# Altium PCB FMs.PcbDoc (continued)
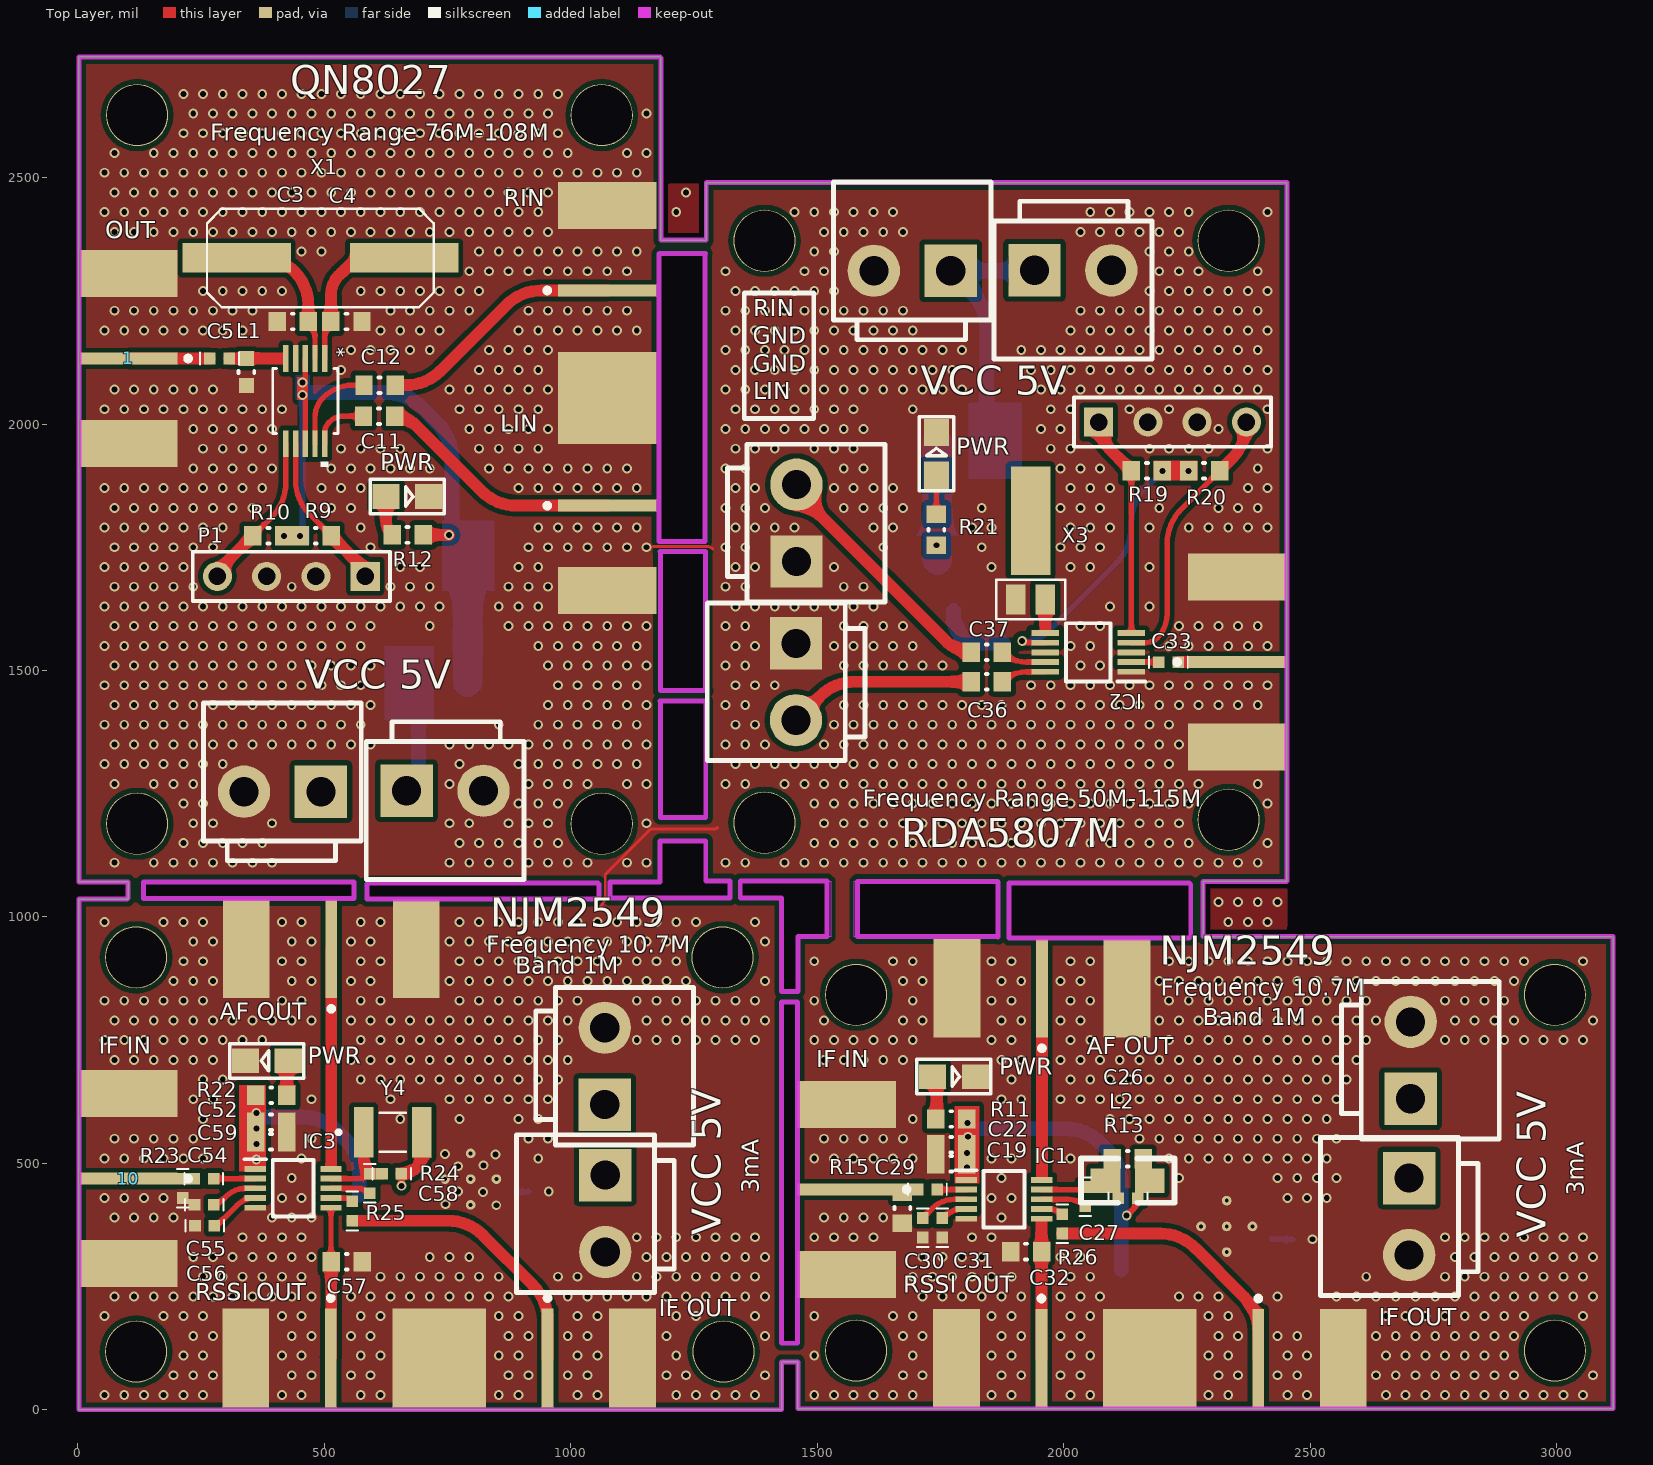
[diagram p0: Top Layer view]
## Nets (pads, with @x,y where several pads share a name; then routed paths per layer and width w, separated by ;. In a path a pad name is that pad's centre, name@x,y a point inside that pad or via, vN(x,y) a via of type N, cw(c..) or ccw(c..) an arc to the next point about the centre after c; other vN are vias at no path point) (continued)
Net1_1: 1.1 C5.1 | length 165.6
  Top Layer w24: 1.1 C5.1
Net2_1: 2.1 C11.2 | length 499.8
  Top Layer w24: C11.2 cw(c642.5,1956.84) 684.33,1998.67 819.21,1863.79 ccw(c889.92,1934.5) 889.92,1834.5 2.1
Net3_1: 3.1 C12.2 | length 501.4
  Top Layer w24: C12.2 665.58,2079 ccw(c665.58,2179) 736.29,2108.29 869.71,2241.71 cw(c940.42,2171) 940.42,2271 3.1
Net4_1: 4.1 IC1.10 | length 380.2
  Top Layer w24: 1956,474.82 4.1
Net5_1: 5.1 C32.2 IC1.6 | length 275.6
  Top Layer w24: 5.1 1955,377.55 cw(c1957.63,377.55) 1955.77,379.41
Net6_1: 6.1 R26.2 | length 550.7
  Top Layer w24: R26.2 2195.95,357.63 cw(c2195.95,257.63) 2266.66,328.34 2365.71,229.29 cw(c2295,158.58) 2395,158.58 6.1
Net7_1: 7.1 C29.1 R15.2
Net8_1: 8.1 C33.1 | length 119.6
  Top Layer w24: C33.1 8.1
Net9_2: 9.2 C36.2 | length 383.5
  Top Layer w24: 9.2 1505.71,1447.71 cw(c1576.42,1377) 1576.42,1477 C36.2
Net10_1: 10.1 C54.1 R23.2
Net11_1: 11.1 C57.2 IC3.6 | length 305.3
  Top Layer w11: IC3.6 513.54,301.1 ccw(c515.1,301.1) C57.2
  Top Layer w24: 11.1 ccw(c510.59,107.41) 514,107.41 C57.2
Net12_1: 12.1 R25.2 | length 571.9
  Top Layer w24: R25.2 750.95,383.63 cw(c750.95,283.63) 821.66,354.34 923.71,252.29 cw(c853,181.58) 953,181.58 12.1
Net13_1: 13.1 IC3.10 | length 438.2
  Top Layer w24: 513.54,496.91 ccw(c512.44,498.01) 514,498.01 13.1
Net_2: ?.2 C37.2 | length 499.1
  Top Layer w24: ?.2 ccw(c1491.8,1877) 1467.9,1853.1 1763.84,1557.16 ccw(c1812.5,1605.81) C37.2
NetC3_1: C3.1 U1.2 X1.1 | length 262
  Top Layer w11: C3.1 cw(c434.76,2175.27) 481.06,2175.27 U1.2
  Top Layer w24: X1.1@372.5,2337 cw(c372.5,2241.64) 439.93,2309.07 cw(c373.38,2242.52) 467.5,2242.52 C3.1
NetC4_1: C4.1 U1.1 X1.2 | length 319
  Top Layer w11: U1.1 500.74,2177.19 cw(c544.32,2177.19) C4.1
  Top Layer w24: C4.1 513.5,2262.18 cw(c569.82,2262.18) 530,2302 535.71,2307.71 cw(c606.42,2237) 606.42,2337 X1.2
NetC5_2: C5.2 L1.2 U1.5 | length 107.2
  Top Layer w24: C5.2 L1.2 414.19,2133
NetC11_1: C11.1 U1.10 | length 119.2
  Top Layer w11: U1.10 500.74,1981.64 cw(c532.36,1981.64) 510,2004 cw(c538.97,1975.03) 538.97,2016 C11.1
NetC12_1: C12.1 U1.9 | length 187.7
  Top Layer w11: U1.9 481.06,2013.09 cw(c538.91,2013.09) 498,2054 cw(c558.36,1993.64) 558.36,2079 C12.1
NetC15_2: C15.2 U4.14 | length 43.6
  Bottom Layer w12: U4.14 ccw(c2423.52,347.4) 2423.52,346 C15.2
NetC26_2: C26.2 C27.2 IC1.9 L2.1 R13.1 | length 89.6
  Top Layer w11: IC1.9 2031.17,446.68 ccw(c2031.17,464.83) C27.2
NetC27_1: C27.1 IC1.8 | length 92.1
  Top Layer w11: IC1.8 2009.31,427 cw(c2009.31,377.94) C27.1
NetC29_2: C29.2 IC1.2 | length 58.5
  Top Layer w11: C29.2@1743.69,446.68 IC1.2
NetC30_2: C30.2 IC1.3 | length 101.2
  Top Layer w11: C30.2 1733.22,408.22 cw(c1778.56,362.89) 1778.56,427 IC1.3
NetC31_1: C31.1 IC1.4 | length 53.1
  Top Layer w11: C31.1 cw(c1798.22,344.78) 1798.22,407.32 IC1.4
NetC33_2: C33.2 IC2.2 | length 56
  Top Layer w11: IC2.2 C33.2
NetC36_1: C36.1 IC2.10 | length 92.8
  Top Layer w11: C36.1 cw(c1924.54,1427.96) 1924.54,1497.31 IC2.10
NetC37_1: C37.1 IC2.9 | length 92.7
  Top Layer w11: C37.1 ccw(c1923.78,1585.28) 1923.78,1517 IC2.9
NetC44_2: C44.2 U5.14 | length 27.6
  Bottom Layer w11: U5.14 914.57,442.41 ccw(c914.57,444.43) C44.2
NetC54_2: C54.2 IC3.2 | length 84.6
  Top Layer w11: C54.2 IC3.2
NetC55_2: C55.2 IC3.3 | length 92.3
  Top Layer w11: C55.2@276,420.31 ccw(c276,450.03) 297.02,429.02 301,433 cw(c340.39,393.61) 340.39,449.32 IC3.3
NetC56_1: C56.1 IC3.4 | length 103.7
  Top Layer w11: C56.1 ccw(c277,382.66) 283.83,375.83 321.81,413.81 cw(c360,375.62) IC3.4
NetC58_1: C58.1 IC3.8 | length 81
  Top Layer w11: IC3.8 568.62,449.32 cw(c568.62,416.25) C58.1
NetC58_2: C58.2 IC3.9 R24.1 Y4.1 | length 138.5
  Top Layer w11: IC3.9 567.86,469 ccw(c567.86,503.14) C58.2
  Top Layer w24: 579.94,508.1 ccw(c621.1,508.1) C58.2 R24.1
NetIC1_7: IC1.7 R26.1 | length 44
  Top Layer w11: IC1.7 1972.1,407.32 cw(c1972.1,372.1) R26.1
NetIC2_6: IC2.6 X3.2 | length 59.6
  Top Layer w24: 1963,1584.45 X3.2
NetIC3_7: IC3.7 R25.1 | length 45.2
  Top Layer w11: IC3.7 540.99,429.63 cw(c540.99,406.99) R25.1
NetLD1_1: LD1.1 R11.2 | length 75.3
  Top Layer w24: LD1.1 cw(c1713.44,655.45) 1742.5,655.45 R11.2@1742.5,603
NetLD2_1: LD2.1 R12.2 | length 81.3
  Top Layer w24: LD2.1 625.03,1805.11 ccw(c667.61,1805.11) R12.2
NetLD3_1: LD3.1 R21.2 | length 79
  Top Layer w11: R21.2 LD3.1
NetLD4_1: LD4.1 R22.2 | length 70.9
  Top Layer w24: R22.2 423.99,700.88 cw(c434.15,700.88) LD4.1
SCL: P1.4 R10.2 U1.6 | length 321.2
  Top Layer w11: R10.2 392.71,1810.7 ccw(c322,1881.41) 422,1881.41 U1.6
  Top Layer w24: P1.4 cw(c307.12,1691) 290.07,1708.06 R10.2
SCLK: IC2.4 P2.4 R20.2 | length 553.9
  Top Layer w11: IC2.4 2166.75,1556.37 ccw(c2166.75,1589.25) 2190,1566 ccw(c2141.72,1614.28) 2210,1614.28 2210,1757.08 cw(c2310,1757.08) 2239.29,1827.79 R20.2
  Top Layer w24: R20.2 2341.71,1930.21 ccw(c2271,2000.93) P2.4@2371,2000.93
SDA: P1.1 R9.1 U1.7 | length 321.9
  Top Layer w11: U1.7 441.69,1886.74 ccw(c541.69,1886.74) 470.97,1816.03 R9.1
  Top Layer w24: R9.1 573.81,1713.19 cw(c551.62,1691) P1.1
SDIO: IC2.5 P2.1 R19.2 | length 450.5
  Top Layer w11: IC2.5@2137,1577.78 ccw(c2135.78,1578.99) 2137.5,1578.99 R19.2
  Top Layer w24: P2.1 ccw(c2149.45,2004) 2093.98,1948.53 R19.2
VCC: 14.1 15.1 16.1 17.1 18.1 19.1 20.1 21.1 C6.2 C7.2 C13.2 C14.2 C38.2 C39.2 C42.2 C43.2 U2.3 U3.3 U4.13 U4.15 U4.16 U5.13 U5.15 U5.16 | length 769.6
  Bottom Layer w12: 20.1 ccw(c609.22,1313.83) 691,1313.83
  Bottom Layer w30: 691,1313.83 U2.3 ; U3.3 1844,2196.58 ccw(c1744,2196.58) 1814.71,2267.29 19.1 1938.59,2311 ccw(c1938.59,2314.41) 15.1
VCC1: C1.2 C2.2 C9.2 C10.2 R9.2 R10.1 R12.1 U1.3 U1.8 U2.2 U2.4 | length 1256.7
  Top Layer w11: v1(456,2059) cw(c443.04,2046.04) 461.37,2046.04 U1.8
  Top Layer w12: v1(456,2084) ccw(c443.04,2096.96) 461.37,2096.96 U1.3
  Top Layer w24: R12.1 v1(753,1775)
  Bottom Layer w12: v1(451.01,1773) ccw(c440.48,1783.53) 455.37,1783.53 C1.2
  Bottom Layer w30: C1.2 625.58,2064 cw(c625.58,1964) 696.29,2034.71 729.71,2001.29 cw(c659,1930.58) 759,1930.58 C10.2
  Bottom Layer w60: U2.2 U2.4
  other v1: 418,1773
VCC2: C16.2 C17.2 C18.2 C19.2 C20.2 C21.2 C22.2 C23.2 C24.2 C26.1 C28.2 IC1.1 L2.2 R11.1 R13.2 U4.1 U4.3 U4.20 | length 592.8
  Top Layer w12: v1(2128,394) 2141.44,407.44 ccw(c2119.88,429) R13.2
  Bottom Layer w30: C21.2 2004.58,570 cw(c2004.58,470) 2075.29,540.71 2087.71,528.29 cw(c2017,457.58) 2117,457.58 C23.2
  other v1: 1804,492 1804,521 1806,554 1805,582
VCC3: C34.2 C35.2 C40.2 C41.2 IC2.7 R19.1 R20.1 R21.1 U3.2 U3.4 | length 985.6
  Top Layer w11: v1(1916,1560) ccw(c1924.76,1568.76) 1924.76,1556.37 IC2.7
  Bottom Layer w12: C35.2 ccw(c1914,1632.56) 1967.78,1578.78 2107.71,1718.71 ccw(c2037,1789.42) 2137,1789.42 2137,1800.08 cw(c2237,1800.08) 2166.29,1870.79 2171.21,1875.71 cw(c2241.92,1805) 2241.92,1905 v1(2200.5,1905)
  Bottom Layer w30: C40.2 1776.5,1610.65 ccw(c1839.65,1610.65) 1795,1566 ccw(c1817.93,1588.93) 1817.93,1556.5 C41.2
  Bottom Layer w60: U3.4 U3.2
  other v1: 1742,1754 2253.5,1905
VCC4: C45.2 C46.2 C47.2 C48.2 C49.2 C50.2 C51.2 C52.2 C53.2 C59.2 IC3.1 R22.1 R24.2 U5.1 U5.3 U5.20 Y4.2 | length 402.2
  Top Layer w11: v1(656.37,454.37) R24.2
  Top Layer w24: R24.2 656.62,479 ccw(c656.62,523.38) 688,492 ccw(c663.72,516.28) Y4.2@698.06,516.28
  Bottom Layer w30: C46.2 455.58,594 cw(c455.58,494) 526.29,564.71 541.71,549.29 cw(c471,478.58) 571,478.58 571,436
  other v1: 362,508 362,539 362,571 362,602
pads on no net: U4.2 U4.4 U4.5 U4.6 U4.9 U4.10 U4.17 U4.18 U4.19 U5.2 U5.4 U5.5 U5.6 U5.9 U5.10 U5.17 U5.18 U5.19 X3.0

## Polygon pours and split planes (outlines as drawn)
GND on Bottom Layer "Top Layer-No Net" (solid, pour order 16): 2,2747 2,4.83 ccw(c8.83,4.83) 4,0 3117,0 3117,952.17 ccw(c3110.17,952.17) 3115,957 ccw(c3107.76,949.76) 3107.76,960 2459,960 2459,2475.1 ccw(c2435.1,2475.1) 2452,2492 ccw(c2420.62,2460.62) 2420.62,2505 1185,2505 1185,2740.93 ccw(c1167.93,2740.93) 1180,2753
VCC on Bottom Layer "Top Layer-No Net" (solid, pour order 14): 451.31,1317 ccw(c451.31,1289.69) 432,1309 ccw(c444.07,1296.93) 427,1296.93 427,1071 ccw(c431.83,1075.83) 431.83,1069 729,1069 729,1300.93 ccw(c711.93,1300.93) 724,1313 ccw(c714.34,1303.34) 714.34,1317
VCC on Bottom Layer "Top Layer-No Net" (solid, pour order 12): 1714,2490 1714,2250.04 ccw(c1772.04,2250.04) 1731,2209 ccw(c1759.97,2237.97) 1759.97,2197 1941.13,2197 ccw(c1941.13,2261.87) 1987,2216 ccw(c1965.27,2237.73) 1996,2237.73 1996,2490
VCC2 on Bottom Layer "Top Layer-No Net" (solid, pour order 10): 2253.59,378 cw(c2253.59,374.59) 2256,377 cw(c2253.59,374.59) 2257,374.59 2257,308.66 ccw(c2270.66,308.66) 2261,299 ccw(c2265.83,303.83) 2265.83,297 2281.17,297 cw(c2281.17,290.17) 2286,295 2286.29,294.71 cw(c2284.59,293) 2287,293 2287,266.41 cw(c2283.59,266.41) 2286,264 cw(c2283.59,266.41) 2283.59,263 2102.24,263 cw(c2102.24,273.24) 2095,266 cw(c2102.24,273.24) 2092,273.24 2092,289.58 cw(c2192,289.58) 2121.29,360.29 2138,377 cw(c2145.24,369.76) 2145.24,380 2230.59,380 cw(c2230.59,376.59) 2233,379 ccw(c2235.41,381.41) 2235.41,378
VCC on Bottom Layer "Top Layer-No Net" (solid, pour order 6): 3115,707 2690.42,707 ccw(c2690.42,607) 2619.71,677.71 2617,675 ccw(c2682.18,609.82) 2590,609.82 2590,468.42 cw(c2490,468.42) 2560.71,397.71 2555,392 cw(c2526.03,420.97) 2526.03,380 2410.83,380 ccw(c2410.83,373.17) 2406,378 ccw(c2410.83,373.17) 2404,373.17 2404,303.83 cw(c2397.17,303.83) 2402,299 cw(c2394.76,306.24) 2394.76,296 2384.66,296 ccw(c2384.66,282.34) 2375,292 ccw(c2377.41,289.59) 2374,289.59 2374,260 ccw(c2386.07,272.07) 2386.07,255 2517.44,255 ccw(c2517.44,292.56) 2544,266 2638.71,360.71 cw(c2709.42,290) 2709.42,390 3116,390
VCC4 on Bottom Layer "Top Layer-No Net" (solid, pour order 4): 752,360 560.41,360 cw(c560.41,363.41) 558,361 cw(c567.66,370.66) 554,370.66 554,451.27 cw(c584.73,451.27) 563,473 cw(c570.24,465.76) 570.24,476 715.59,476 cw(c715.59,472.59) 718,475 719.59,473.41 cw(c716.17,470) 721,470 721,405.24 ccw(c731.24,405.24) 724,398 ccw(c740.9,414.9) 740.9,391 751.59,391 cw(c751.59,387.59) 754,390 cw(c751.59,387.59) 755,387.59 755,365.83 cw(c748.17,365.83) 753,361
VCC on Bottom Layer "Top Layer-No Net" (solid, pour order 2): 1431,699 1067.94,699 ccw(c1067.94,617.06) 1010,675 ccw(c1080.01,604.99) 981,604.99 981,497 cw(c925.47,552.53) 925.47,474 884.66,474 ccw(c884.66,460.34) 875,470 ccw(c877.41,467.59) 874,467.59 874,404.66 cw(c860.34,404.66) 870,395 cw(c860.34,404.66) 860.34,391 847.83,391 ccw(c847.83,384.17) 843,389 ccw(c850.24,381.76) 840,381.76 840,365.83 ccw(c846.83,365.83) 842,361 ccw(c846.83,365.83) 846.83,359 951.58,359 ccw(c951.58,459) 1022.29,388.29 1033,399 cw(c1054.73,377.27) 1054.73,408 1428,408
GND on Top Layer "Top Layer-No Net" (solid, pour order 18): 2,2743 2,-5 3104.34,-5 ccw(c3104.34,8.66) 3114,-1 ccw(c3106.76,6.24) 3117,6.24 3117,957 2461.9,957 cw(c2461.9,980.9) 2445,964 ccw(c2423.27,985.73) 2454,985.73 2454,2488 1199.49,2488 cw(c1199.49,2508.49) 1185,2494 ccw(c1175.34,2503.66) 1189,2503.66 1189,2755 10.49,2755 ccw(c10.49,2734.51) -4,2749

## Keep-outs
Keep-Out Layer:
  lines w10: 2,0 2,2 2,1036 100,1036 102,1038 102,1071 2,1071 2,2745 1181,2745 1183,2743 1183,2373 1275,2373 1275,2490 2453,2490 2453,1073 2452,1072 2283,1072 2283,960 3115,960 3115,2 1461,2 1461,97 1428,97 1428,0 2,0 ; 133,1037 133,1038 133,1071 560,1071 560,1037 133,1037 ; 587,1036 1055,1036 1057,1038 1057,1067 1055,1069 589,1069 587,1067 587,1036 ; 1080,1038 1323,1038 1323,1073 1283,1073 1274,1073 1274,1154 1181,1154 1181,1071 1080,1071 1080,1038 ; 1179,1762 1179,2345 1180,2346 1273,2346 1272,2345 1272,1762 1179,1762 ; 1181,1438 1182,1437 1182,1202 1264,1202 1274,1202 1274,1438 1181,1438 ; 1181,1741 1182,1740 1182,1459 1275,1459 1273,1461 1273,1740 1274,1741 1181,1741 ; 1344,1038 1428,1038 1428,849 1461,849 1461,960 1520,960 1520,988.25 1520,1044.75 1520,1073 1344,1073 1344,1038 ; 1428,135 1428,827 1460,827 1460,135 1428,135 ; 1582,960 1866,960 1867,959 1867,1071 1866,1072 1582,1072 1582,960 ; 1889,957 2255,957 2258,960 2258,1066 2255,1069 1889,1069 1889,957

## Other copper
Top Layer:
  rectangle net VCC1: 445,2049 467,2095
  rectangle net VCC3: 2182,1885 2272,1926
  rectangle net VCC2: 1779,459 1829,616
  rectangle net VCC4: 327,483 382,659
Bottom Layer:
  rectangle net VCC1: 400,1756 471,1793
  rectangle net VCC1: 442,2049 471,2100
  rectangle net VCC1: 739,1661 845,1804
  rectangle net VCC: 622,1399 723,1550
  rectangle net VCC: 1807,1888 1916,2044
  rectangle net VCC2: 1784,469 1824,592
  rectangle net VCC4: 342,497 379,616

## Silkscreen, mask and mechanical layers (free items; w line width, h text height)
Top Overlay:
  lines w10: 1352,2011 1493,2011 1493,2266 1352,2266 1352,2011
  text "QN8027" at 431,2650 h100
  text "Frequency Range 76M-108M" at 269,2563 h60
  text "RIN" at 864,2430 h60
  text "OUT" at 56,2365 h60
  text "RIN" at 1370.06,2207 h60
  text "GND" at 1369.06,2150.67 h60
  text "GND" at 1369.06,2094.33 h60
  text "VCC 5V" at 1710,2040 h100
  text "LIN" at 1370,2038 h60
  text "LIN" at 857,1972 h60
  text "PWR" at 1782,1926 h60
  text "PWR" at 614,1894 h60
  text "VCC 5V" at 460,1444 h100
  text "Frequency Range 50M-115M" at 1592,1211 h60
  text "RDA5807M" at 1671,1122 h100
  text "NJM2549" at 837,961 h100
  text "Frequency 10.7M" at 829,915 h60
  text "NJM2549" at 2195,884 h100
  text "Band 1M" at 887,872 h60
  text "Frequency 10.7M" at 2197,828 h60
  text "AF OUT" at 288,779 h60
  text "Band 1M" at 2282,768 h60
  text "IF IN" at 42,710 h60
  text "AF OUT" at 2047,709 h60
  text "PWR" at 466,690 h60
  text "IF IN" at 1498,683 h60
  text "PWR" at 1869,668 h60
  text "3mA" at 1394,439 h60 r90
  text "3mA" at 3068,434 h60 r90
  text "VCC 5V" at 1324,354 h100 r90
  text "VCC 5V" at 2998,349 h100 r90
  text "RSSI OUT" at 1675,225 h60
  text "RSSI OUT" at 238,210 h60
  text "IF OUT" at 1179,178 h60
  text "IF OUT" at 2639,159 h60

## Text inside footprints (layer, text, board x,y; h text height)
U1: Top Overlay "*" at 511.24,2155.5 h30 r270; Mechanical 13 "*" at 486.24,2110 h30 r270